# Altium PCB Mynd_TI_Amp.PcbDoc (part 2 of 2)
Units mm, origin at the board's own origin, x right, y up, seen from the top; angles counter-clockwise.
Board outline 90.5 x 57.5 mm, 2 copper layers (Component Side, Solder Side), stack 1.58 mm thick; 159 components, 77 nets, 438 pads, 735 vias.
Unrouted connection lines stored in the file: 74.
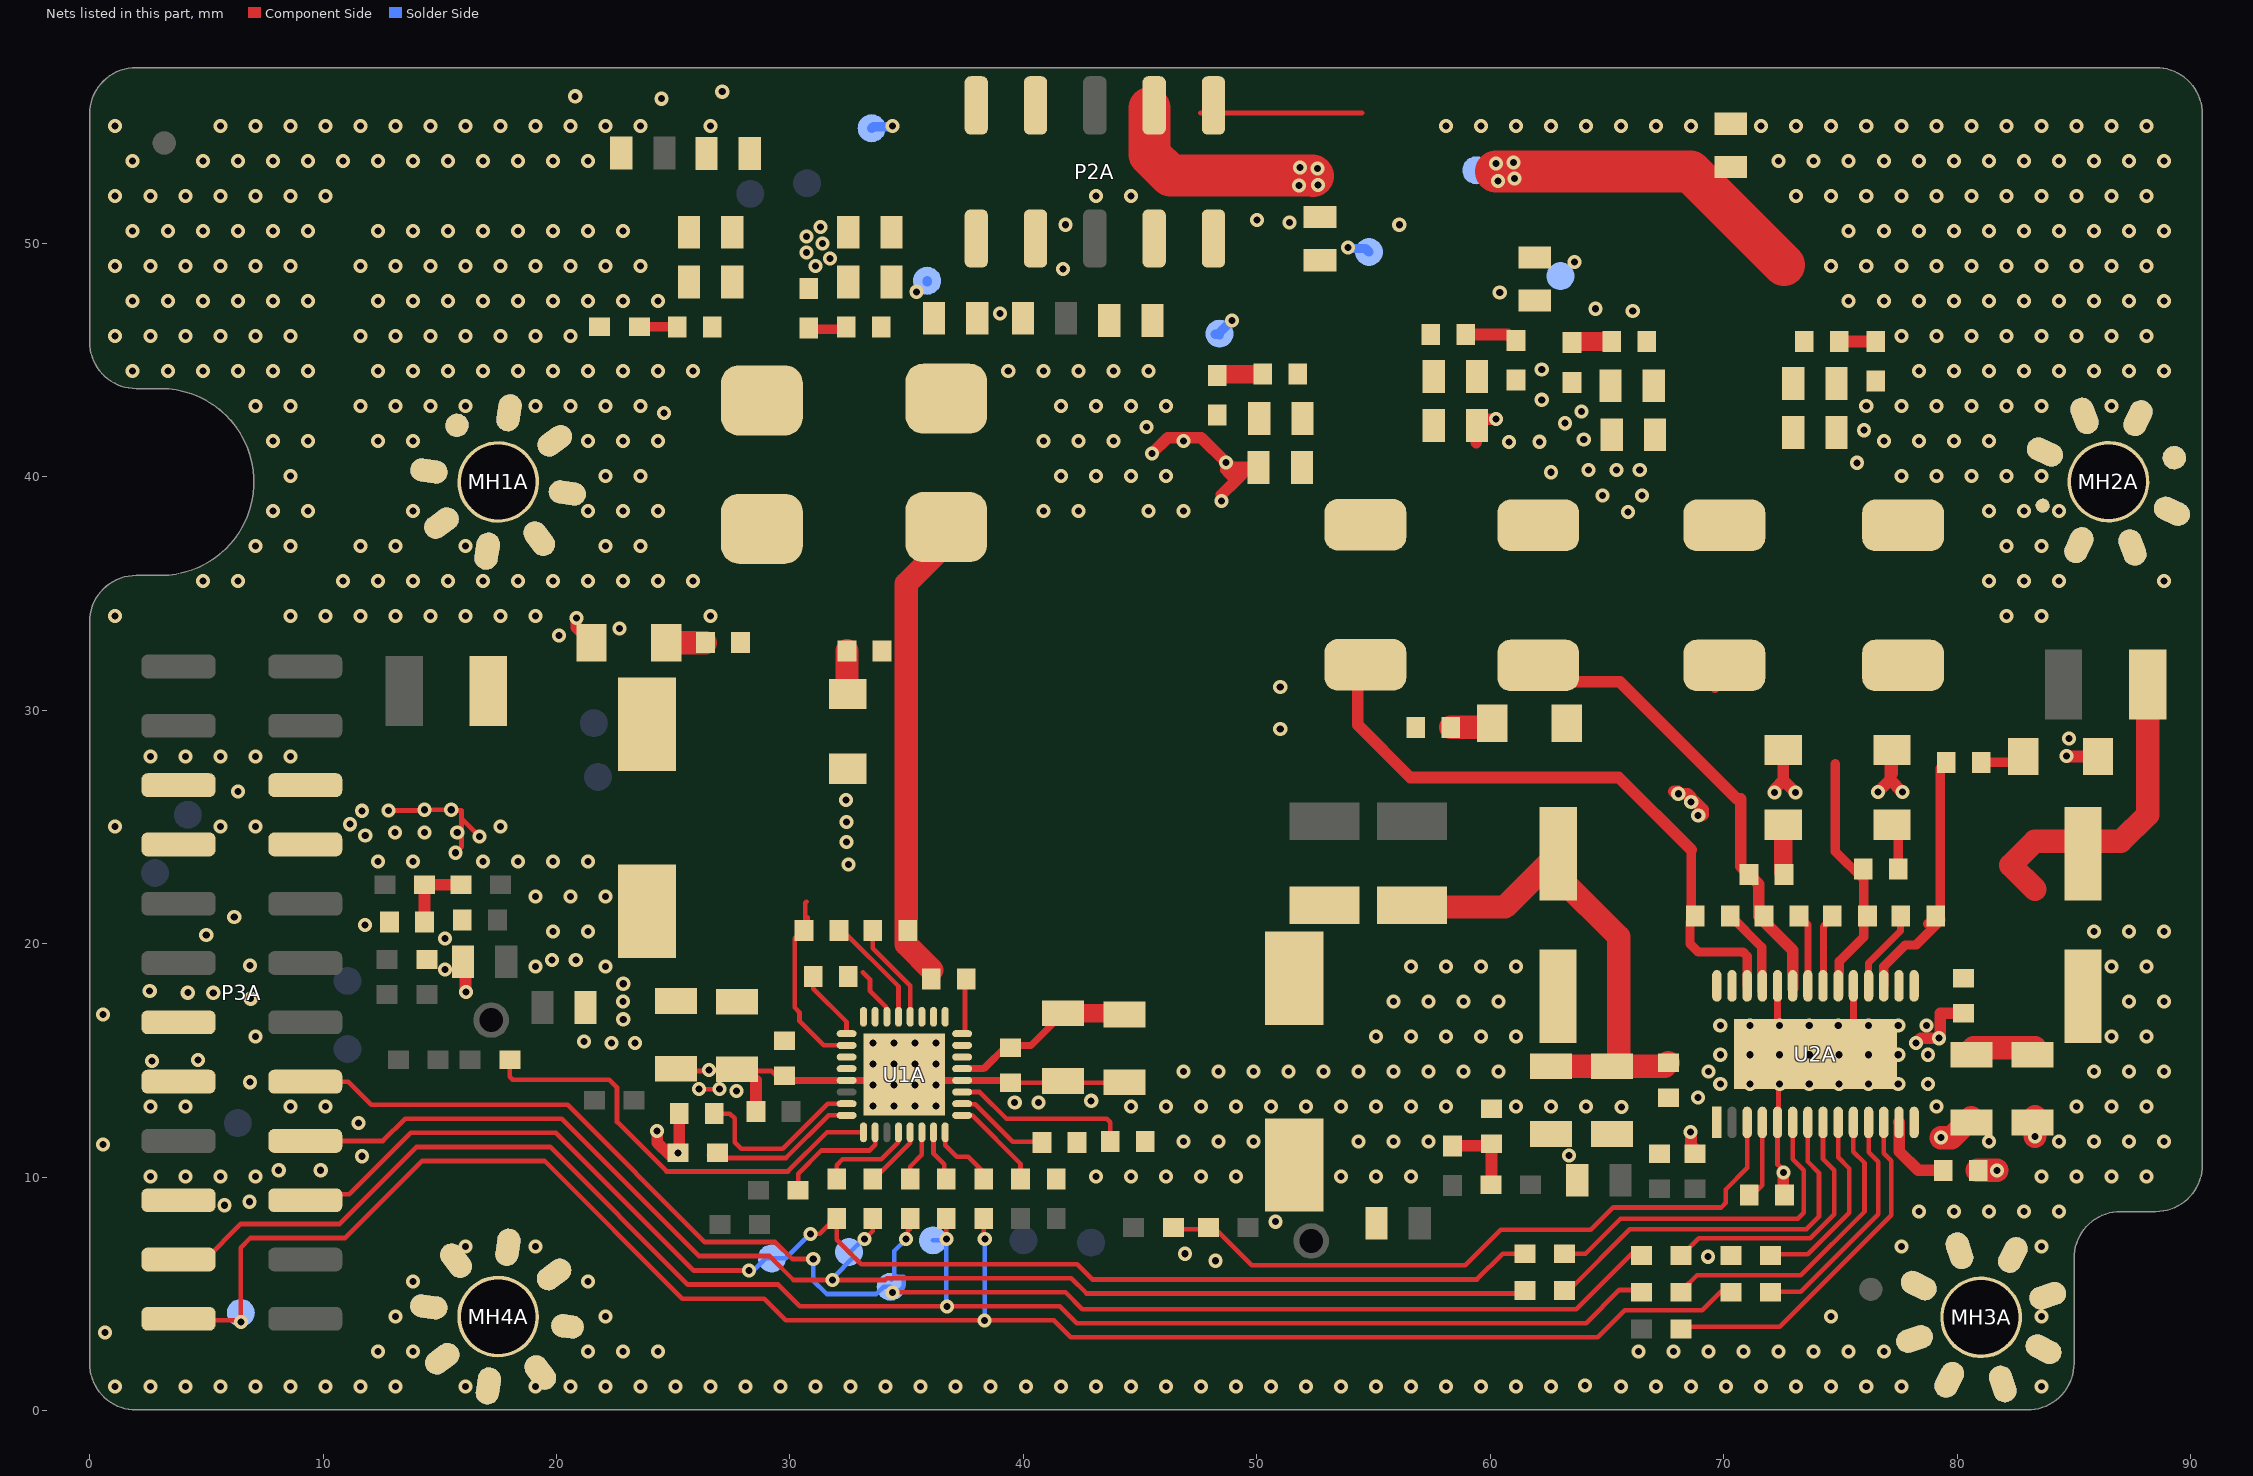
[diagram p2: the nets of this part, all layers, seen from the top]

## Via types
v1: diameter 0.6, hole 0.3, Component Side to Solder Side, tented both sides, 616 vias
v2: diameter 0.61, hole 0.305, Component Side to Solder Side, tented both sides, 71 vias
v3: diameter 0.61, hole 0.305, Component Side to Solder Side, 48 vias

## Nets (pads, with @x,y where several pads share a name; then routed paths per layer and width w, separated by ;. In a path a pad name is that pad's centre, name@x,y a point inside that pad or via, vN(x,y) a via of type N, cw(c..) or ccw(c..) an arc to the next point about the centre after c; other vN are vias at no path point) (continued)
GND: C4A.2 C5A.2 C6A.2 C7A.2 C8A.2 C11A.2 C12A.2 C16A.2 C17A.2 C18A.2 C19A.2 C20A.2 C21A.2 C22A.2 C23A.2 C24A.1 C25A.2 C26A.2 C27A.1 C28A.1 C29A.2 C30A.2 C31A.2 C34A.2 C35A.2 C37A.2 C38A.2 C39A.2 C40A.2 C41A.2 C42A.2 C46A.2 C47A.2 C48A.2 C49A.2 C53A.2 C54A.2 C55A.1 C56A.2 C57A.2 C59A.1 C60A.2 C61A.2 C64A.2 C65A.2 C66A.2 C67A.2 C68A.2 C69A.2 C70A.2 C71A.2 MH1A.1 MH2A.1 MH3A.1 MH4A.1 P3A.5 P3A.6 P3A.7 P3A.8 P3A.13 P3A.15 P3A.19 R6A.2 R7A.2 R10A.1 R11A.2 R14A.1 R16A.2 R18A.2 R19A.2 R20A.2 R21A.2 R22A.1 R24A.2 R29A.2 R30A.2 R33A.1 R34A.2 U1A.0 U1A.5 U1A.20 U1A.25 U1A.26 U1A.31 U1A.32 U2A.0 U2A.1 U2A.5 U2A.14 U2A.19 U2A.24 | length 70.6
  Component Side w0.2: v2(12.804,25.71) v2@14.352,25.71 ; v2(14.352,25.74) v2(15.494,25.74) ; v2@15.494,25.71 15.935,25.71 15.935,25.365 ; v2(15.675,23.9) 15.935,24.16 15.935,24.765 15.935,25.365 ; v2(16.7,24.6) 15.935,25.365 ; C18A.2@25.125,14.65 25.225,14.55 C17A.2@27.725,14.55 ; v1(26.1,13.775) v1(26.975,13.775) ; C17A.2@28.15,14.55 29.225,14.55 C19A.2@29.625,14.15 ; C23A.2@39.45,14.045 44.295,14.045 C21A.2@44.325,14.075 ; U2A.0@72.39,13.847 72.338,13.795 72.338,12.388 U2A.5@72.3,12.35 72.3,10.55 v1@72.675,10.175
  Component Side w0.3: C19A.2@29.625,14.15 U1A.5@32.425,14.15 33.425,14.15 U1A.0@33.525,14.05 ; U1A.0@36.1,13.95 36.3,14.15 U1A.20@37.375,14.15 C23A.2@39.395,14.15 ; U2A.0@71.675,15.907 U2A.0@72.2,15.382 ; U2A.24@72.3,18.2 72.3,16.477 U2A.0@72.39,16.387 ; U2A.0@73.925,15.275 74.145,15.275 75.55,16.68 U2A.19@75.55,18.2
  Component Side w0.5: v1(16.125,17.932) 16.106,17.951 16.106,19.313 C8A.2@16.125,19.332 ; v1(20.85,33.95) 20.85,33.55 R6A.2@21.5,32.9 ; v1(24.3,11.975) 24.319,11.956 24.319,11.484 R14A.1@24.839,10.964 ; v1(25.2,11.05) 25.255,11.105 C24A.1@25.255,12.725 ; C17A.2@27.725,14.625 28.075,14.625 28.15,14.55 28.545,14.155 C26A.2@28.545,12.925 ; v1(45.5,41) 46.181,41.681 47.619,41.681 v1(48.675,40.625) ; v1(48.483,38.976) 48.483,39.233 49.113,39.862 ; v1@48.675,40.579 v1(48.675,40.625) ; C34A.2@50.075,40.4 C34A.2@49.65,40.4 ; 59.4,41.475 59.4,42.475 v1(60.25,42.475) ; v3@67.867,26.525 68.05,26.525 v3(68.05,26.425) 68.45,26.425 68.6,26.275 v3(68.6,26.075) 68.8,26.075 69.125,25.75 69.125,25.525 69.1,25.5 v3(68.9,25.5) ; v1(68.575,11.937) 68.594,11.918 68.594,11.393 C30A.2@68.85,11.137 ; v1(72.175,26.475) 72.175,26.625 72.55,27 ; v1(72.55,10.2) 72.55,9.295 C55A.1@72.595,9.25 ; R22A.1@72.55,28.05 72.55,27 ; v1(73.075,26.475) 72.55,27 ; v1(76.6,26.5) 77.125,27.025 ; R29A.2@77.125,28.075 77.125,27.025 ; 77.2,27.295 R29A.2@77.2,28.3 ; v1(77.65,26.5) 77.125,27.025 ; v1(78.232,15.748) 78.439,15.955 79.27,15.955 79.27,17.025 C42A.2@80.264,17.025 ; v1@84.775,28.05 84.8,28.025 R33A.1@86.025,28.025 ; 48.675,40.3 48.751,40.224 ; 48.675,40.3 48.751,40.224 ; 48.675,40.3 49.113,39.862 ; v1(48.675,40.625) v1@48.702,40.625 ; v1@48.702,40.625 v1@48.851,40.476 ; v1@48.702,40.625 v1@48.851,40.476 ; v1@48.702,40.625 48.927,40.4 ; 48.751,40.224 49.113,39.862 ; v1@48.851,40.476 48.927,40.4 ; 48.927,40.4 C34A.2@49.65,40.4 ; 49.113,39.862 C34A.2@49.65,40.4
  Component Side w1: v1(79.3,11.7) 79.75,11.7 C40A.2@80.6,12.55 ; C59A.1@80.85,10.3 v1(81.7,10.3) ; v1(83.325,11.75) C41A.2@83.325,12.6
  other v1: 1.1,1.031 2.6,1.031 4.1,1.031 5.6,1.031 7.1,1.031 8.6,1.031 10.1,1.031 11.6,1.031 13.1,1.031 16.1,1.031 19.1,1.031 20.6,1.031 22.1,1.031 23.6,1.031 25.1,1.031 26.6,1.031 28.1,1.031 29.6,1.031 31.1,1.031 32.6,1.031 34.1,1.031 35.6,1.031 37.1,1.031 38.6,1.031 40.1,1.031 41.6,1.031 43.1,1.031 44.6,1.031 46.1,1.031 47.6,1.031 49.1,1.031 50.6,1.031 52.1,1.031 53.6,1.031 55.1,1.031 56.6,1.031 58.1,1.031 59.6,1.031 61.1,1.031 62.6,1.031 65.6,1.031 67.1,1.031 68.6,1.031 70.1,1.031 71.6,1.031 73.1,1.031 74.6,1.031 76.1,1.031 77.6,1.031 83.6,1.031 64.05,1.075 12.35,2.531 13.85,2.531 21.35,2.531 22.85,2.531 24.35,2.531 66.35,2.531 67.85,2.531 69.35,2.531 70.85,2.531 72.35,2.531 73.85,2.531 75.35,2.531 76.85,2.531 0.667,3.361 13.1,4.031 22.1,4.031 74.6,4.031 83.6,4.031 13.85,5.531 21.35,5.531 16.1,7.031 19.1,7.031 77.6,7.031 83.6,7.031 78.35,8.531 79.85,8.531 81.35,8.531 82.85,8.531 84.35,8.531 2.6,10.031 4.1,10.031 5.6,10.031 7.1,10.031 43.1,10.031 44.6,10.031 46.1,10.031 47.6,10.031 49.1,10.031 53.6,10.031 55.1,10.031 56.6,10.031 83.6,10.031 85.1,10.031 86.6,10.031 88.1,10.031 63.373,10.926 0.57,11.407 46.85,11.531 48.35,11.531 49.85,11.531 54.35,11.531 55.85,11.531 57.35,11.531 81.35,11.531 84.35,11.531 85.85,11.531 87.35,11.531 88.85,11.531 65.625,13 2.6,13.031 4.1,13.031 8.6,13.031 10.1,13.031 44.6,13.031 46.1,13.031 47.6,13.031 49.1,13.031 50.6,13.031 52.1,13.031 53.6,13.031 55.1,13.031 56.6,13.031 58.1,13.031 61.1,13.031 62.6,13.031 64.1,13.031 79.1,13.031 85.1,13.031 86.6,13.031 88.1,13.031 68.9,13.407 27.7,13.7 46.85,14.531 48.35,14.531 49.85,14.531 51.35,14.531 52.85,14.531 54.35,14.531 55.85,14.531 57.35,14.531 58.85,14.531 60.35,14.531 69.35,14.531 85.85,14.531 87.35,14.531 88.85,14.531 26.525,14.6 21.188,15.816 79.22,15.955 7.1,16.031 55.1,16.031 56.6,16.031 58.1,16.031 59.6,16.031 61.1,16.031 86.6,16.031 88.1,16.031 0.57,16.982 22.85,17.531 55.85,17.531 57.35,17.531 58.85,17.531 60.35,17.531 87.35,17.531 88.85,17.531 19.1,19.031 22.1,19.031 56.6,19.031 58.1,19.031 59.6,19.031 61.1,19.031 86.6,19.031 88.1,19.031 15.225,20.232 19.85,20.531 21.35,20.531 85.85,20.531 87.35,20.531 88.85,20.531 19.1,22.031 20.6,22.031 22.1,22.031 32.5,23.4 12.35,23.531 13.85,23.531 16.85,23.531 18.35,23.531 19.85,23.531 21.35,23.531 32.432,24.36 1.1,25.031 5.6,25.031 7.1,25.031 17.6,25.031 32.432,25.209 32.4,26.15 6.35,26.531 2.6,28.031 4.1,28.031 5.6,28.031 7.1,28.031 8.6,28.031 84.675,28.05 84.775,28.8 20.1,33.2 22.7,33.5 1.1,34.031 8.6,34.031 10.1,34.031 11.6,34.031 13.1,34.031 14.6,34.031 16.1,34.031 17.6,34.031 19.1,34.031 26.6,34.031 82.1,34.031 83.6,34.031 4.85,35.531 6.35,35.531 10.85,35.531 12.35,35.531 13.85,35.531 15.35,35.531 16.85,35.531 18.35,35.531 19.85,35.531 21.35,35.531 22.85,35.531 24.35,35.531 25.85,35.531 81.35,35.531 82.85,35.531 84.35,35.531 88.85,35.531 7.1,37.031 8.6,37.031 11.6,37.031 13.1,37.031 16.1,37.031 22.1,37.031 23.6,37.031 82.1,37.031 83.6,37.031 7.85,38.531 9.35,38.531 13.85,38.531 21.35,38.531 22.85,38.531 24.35,38.531 40.85,38.531 42.35,38.531 45.35,38.531 46.85,38.531 81.35,38.531 82.85,38.531 84.35,38.531 8.6,40.031 22.1,40.031 23.6,40.031 41.6,40.031 43.1,40.031 44.6,40.031 46.1,40.031 77.6,40.031 79.1,40.031 80.6,40.031 82.1,40.031 83.6,40.031 60.8,41.5 7.85,41.531 9.35,41.531 12.35,41.531 13.85,41.531 21.35,41.531 22.85,41.531 24.35,41.531 40.85,41.531 42.35,41.531 43.85,41.531 46.85,41.531 76.85,41.531 78.35,41.531 79.85,41.531 81.35,41.531 45.275,42.132 24.608,42.732 7.1,43.031 8.6,43.031 11.6,43.031 13.1,43.031 14.6,43.031 16.1,43.031 19.1,43.031 20.6,43.031 22.1,43.031 23.6,43.031 41.6,43.031 43.1,43.031 44.6,43.031 46.1,43.031 76.1,43.031 77.6,43.031 79.1,43.031 80.6,43.031 82.1,43.031 83.6,43.031 86.6,43.031 1.85,44.531 3.35,44.531 4.85,44.531 6.35,44.531 7.85,44.531 9.35,44.531 12.35,44.531 13.85,44.531 15.35,44.531 16.85,44.531 18.35,44.531 19.85,44.531 21.35,44.531 22.85,44.531 24.35,44.531 25.85,44.531 39.35,44.531 40.85,44.531 42.35,44.531 43.85,44.531 45.35,44.531 78.35,44.531 79.85,44.531 81.35,44.531 82.85,44.531 84.35,44.531 85.85,44.531 87.35,44.531 88.85,44.531 1.1,46.031 2.6,46.031 4.1,46.031 5.6,46.031 7.1,46.031 8.6,46.031 11.6,46.031 13.1,46.031 14.6,46.031 16.1,46.031 17.6,46.031 19.1,46.031 20.6,46.031 77.6,46.031 79.1,46.031 80.6,46.031 82.1,46.031 83.6,46.031 85.1,46.031 86.6,46.031 88.1,46.031 1.85,47.531 3.35,47.531 4.85,47.531 6.35,47.531 7.85,47.531 9.35,47.531 12.35,47.531 13.85,47.531 15.35,47.531 16.85,47.531 18.35,47.531 19.85,47.531 21.35,47.531 22.85,47.531 24.35,47.531 75.35,47.531 76.85,47.531 78.35,47.531 79.85,47.531 81.35,47.531 82.85,47.531 84.35,47.531 85.85,47.531 87.35,47.531 88.85,47.531 1.1,49.031 2.6,49.031 4.1,49.031 5.6,49.031 7.1,49.031 8.6,49.031 11.6,49.031 13.1,49.031 14.6,49.031 16.1,49.031 17.6,49.031 19.1,49.031 20.6,49.031 22.1,49.031 23.6,49.031 31.1,49.031 74.6,49.031 76.1,49.031 77.6,49.031 79.1,49.031 80.6,49.031 82.1,49.031 83.6,49.031 85.1,49.031 86.6,49.031 88.1,49.031 31.725,49.35 30.7,49.6 31.4,50 30.7,50.3 1.85,50.531 3.35,50.531 4.85,50.531 6.35,50.531 7.85,50.531 9.35,50.531 12.35,50.531 13.85,50.531 15.35,50.531 16.85,50.531 18.35,50.531 19.85,50.531 21.35,50.531 22.85,50.531 75.35,50.531 76.85,50.531 78.35,50.531 79.85,50.531 81.35,50.531 82.85,50.531 84.35,50.531 85.85,50.531 87.35,50.531 88.85,50.531 31.3,50.7 1.1,52.031 2.6,52.031 4.1,52.031 5.6,52.031 7.1,52.031 8.6,52.031 10.1,52.031 43.1,52.031 44.6,52.031 73.1,52.031 74.6,52.031 76.1,52.031 77.6,52.031 79.1,52.031 80.6,52.031 82.1,52.031 83.6,52.031 85.1,52.031 86.6,52.031 88.1,52.031 1.85,53.531 4.85,53.531 6.35,53.531 7.85,53.531 9.35,53.531 10.85,53.531 12.35,53.531 13.85,53.531 15.35,53.531 16.85,53.531 18.35,53.531 19.85,53.531 21.35,53.531 72.35,53.531 73.85,53.531 75.35,53.531 76.85,53.531 78.35,53.531 79.85,53.531 81.35,53.531 82.85,53.531 84.35,53.531 85.85,53.531 87.35,53.531 88.85,53.531 1.1,55.031 5.6,55.031 7.1,55.031 8.6,55.031 10.1,55.031 11.6,55.031 13.1,55.031 14.6,55.031 16.1,55.031 17.6,55.031 19.1,55.031 20.6,55.031 22.1,55.031 23.6,55.031 26.6,55.031 58.1,55.031 59.6,55.031 61.1,55.031 62.6,55.031 64.1,55.031 65.6,55.031 67.1,55.031 68.6,55.031 71.6,55.031 73.1,55.031 74.6,55.031 76.1,55.031 77.6,55.031 79.1,55.031 80.6,55.031 82.1,55.031 83.6,55.031 85.1,55.031 86.6,55.031 88.1,55.031
  other v2: 33.55,13.05 34.45,13.05 35.35,13.05 36.25,13.05 33.55,13.95 34.45,13.95 69.85,14 71.12,14 72.39,14 73.66,14 74.93,14 76.2,14 77.47,14 78.74,14 33.55,14.85 34.45,14.85 35.35,14.85 36.25,14.85 69.85,15.25 71.12,15.25 72.39,15.25 73.66,15.25 74.93,15.25 76.2,15.25 77.47,15.25 78.74,15.25 33.55,15.75 34.45,15.75 35.35,15.75 36.25,15.75 69.85,16.5 71.12,16.5 72.39,16.5 73.66,16.5 74.9,16.5 76.2,16.5 77.47,16.5 11.811,24.638 13.081,24.765 14.351,24.765 15.748,24.765 11.15,25.125 11.671,25.694 51,29.2 51,31 65.9,38.5 64.8,39.2 66.5,39.2 62.6,40.2 64.2,40.3 65.4,40.3 66.4,40.3 75.7,40.6 62.1,41.5 64,41.6 76,42 63.2,42.3 63.9,42.8 62.2,43.3 62.2,44.6 66.1,47.1 64.5,47.2 60.4,47.9 56.1,50.8 51.4,50.9 50,51
  other v3: 48.225,6.425 69.325,6.6 46.925,6.725 50.8,8.1 5.775,8.8 6.85,8.95 8.1,10.3 9.9,10.3 11.665,10.903 11.525,12.325 39.624,13.208 40.64,13.208 42.9,13.275 35.35,13.95 36.25,13.95 6.875,14.075 2.675,14.975 4.65,15.025 22.352,15.748 23.368,15.748 78.675,16.5 22.86,16.764 6.9,17.65 4.21,17.907 5.3,17.9 2.575,17.975 22.86,18.288 15.225,18.9 6.875,19.075 19.812,19.304 20.828,19.304 5,20.375 11.8,20.8 6.2,21.15 39,47 41.7,48.9 41.8,50.8 24.5,56.2 20.8,56.3 27.1,56.5
I2S_BCLK: P3A.18 R5A.1 R25A.1 TP19A.1 | length 58.8
  Component Side w0.2: P3A.18@9.24,11.557 12.567,11.557 13.515,12.505 20.226,12.505 26.106,6.625 29.127,6.625 30.151,5.6 v1(31.825,5.6) 34.076,5.6 34.151,5.675 42.051,5.675 42.701,5.025 R25A.1@61.7,5.025 ; v1(33.2,7.35) 33.55,7.7 33.55,7.75
  Solder Side w0.2: v1(31.825,5.6) 31.825,5.675 TP19A.1@32.738,6.588 ; TP19A.1@32.525,6.8 32.588,6.8 33.138,7.35 v1(33.2,7.35)
I2S_DATA: P3A.16 R3A.1 R23A.1 TP17A.1 | length 67.3
  Component Side w0.2: P3A.16@9.24,14.097 11.078,14.097 12.07,13.105 20.475,13.105 26.355,7.225 29.375,7.225 30.1,6.5 v3(31,6.5) ; v1(34.4,5.075) 41.803,5.075 42.528,4.35 63.675,4.35 66.05,6.725 R23A.1@66.5,6.725 ; v1(34.975,7.35) 35.052,7.427 35.052,7.701 35.15,7.8 R3A.1@35.15,8.225
  Solder Side w0.2: v3(31,6.5) 31,5.576 31.576,5 33.702,5 34.012,5.31 TP17A.1@34.315,5.31 ; TP17A.1@34.35,5.625 TP17A.1@34.467,5.742 ; v1(34.4,5.075) 34.4,5.163 TP17A.1@34.433,5.196 ; TP17A.1@34.434,5.196 ccw(c34.597,5.422) 34.875,5.422 34.875,5.742 TP17A.1@34.467,5.742 ; v1(34.975,7.35) 34.467,6.842 TP17A.1@34.467,5.742
I2S_LRCK: P3A.20 R8A.1 R26A.1 TP20A.1 | length 58.8
  Component Side w0.2: P3A.20@9.24,9.017 9.489,9.266 11.125,9.266 13.764,11.905 19.978,11.905 25.879,6.004 v1(28.252,6.004) ; v1(30.874,7.576) 31.276,7.576 31.7,8 31.7,8.15 32,8.15 32,7.325 33.05,6.275 42.3,6.275 42.95,5.625 59.425,5.625 60.525,6.725 R26A.1@61.475,6.725
  Solder Side w0.2: v1(28.252,6.004) 28.361,6.004 28.437,6.08 28.508,6.08 28.954,6.526 TP20A.1@29.225,6.526 29.824,6.526 v1(30.874,7.576)
NetC1A_1: C1A.1 C2A.2 C9A.2 L1A.1 U1A.2 U1A.30 | length 11.9
  Component Side w0.2: C9A.2@30.645,20.7 30.645,20.65 30.345,20.35 30.317,20.35 30.2,20.233 30.2,17.271 30.405,17.066 30.405,16.695 31.45,15.65 U1A.2@32.425,15.65 ; C9A.2@30.655,20.705 30.655,21.755 ; 30.705,21.805 30.655,21.755 ; C9A.2@30.755,20.705 30.755,21.13 ; 33.125,18.775 33.425,18.475 33.425,17.983 34.131,17.277 34.131,16.894 U1A.30@34.15,16.875 ; 30.655,21.755 30.655,21.13 30.655,21.755
NetC1A_2: C1A.2 U1A.1 | length 3
  Component Side w0.2: C1A.2@30.995,18.6 30.995,18.08 32.425,16.65 U1A.1@32.425,16.15
NetC2A_1: C2A.1 R6A.1 | length 1.7
  Component Side w1: R6A.1@24.7,32.9 25.275,32.9 C2A.1@26.38,32.9
NetC3A_2: C3A.2 R7A.1 | length 1.6
  Component Side w0.4: R7A.1@23.55,46.425 C3A.2@25.175,46.425
NetC6A_1: C6A.1 FB1A.1 R4A.1 | length 3.3
  Component Side w0.5: C6A.1@14.345,20.932 14.348,20.934 14.348,22.53 R4A.1@14.35,22.532 FB1A.1@16.05,22.532
NetC9A_1: C9A.1 U1A.29 | length 4.7
  Component Side w0.2: C9A.1@32.245,20.58 34.65,18.175 34.65,17.315 U1A.29@34.65,16.875
NetC10A_1: C10A.1 C13A.1 C15A.2 L2A.1 U1A.23 U1A.27 | length 19.6
  Component Side w1: C15A.2@36.075,18.875 34.975,19.975 34.975,20.576 34.975,20.85 34.975,22.425 34.975,32.575 34.975,35.425 L2A.1@36.775,37.225
NetC10A_2: C10A.2 U1A.28 | length 4.4
  Component Side w0.2: C10A.2@33.545,20.576 33.545,19.817 35.15,18.212 U1A.28@35.15,16.875
NetC13A_2: C13A.2 R10A.2 | length 1.9
  Component Side w1: C13A.2@32.445,32.55 32.445,30.73 R10A.2@32.475,30.7
NetC14A_1: C14A.1 R11A.1 | length 1.5
  Component Side w0.4: R11A.1@30.725,46.325 32.15,46.325 C14A.1@32.175,46.35
NetC15A_1: C15A.1 U1A.24 | length 2.7
  Component Side w0.2: U1A.24@37.375,16.15 37.495,16.27 C15A.1@37.495,18.8
NetC16A_1: C16A.1 C17A.1 C18A.1 C19A.1 FB2A.2 U1A.3 U1A.4 | length 0.4
  Component Side w1: C18A.1@24.725,17.6 24.775,17.55 C18A.1@25.125,17.55
NetC20A_1: C20A.1 C21A.1 C22A.1 C23A.1 FB3A.2 U1A.21 U1A.22 | length 8
  Component Side w0.3: U1A.21@37.375,14.65 38.3,14.65 39.3,15.65 39.6,15.65 40.325,15.65 C22A.1@41.7,17.025
  Component Side w0.8: C22A.1@41.7,17.025 44.275,17.025 C21A.1@44.325,16.975
NetC24A_2: C24A.2 U1A.7 | length 8
  Component Side w0.2: C24A.2@26.455,12.725 27.425,12.725 27.63,12.52 27.63,11.5 27.91,11.22 29.686,11.22 31,12.534 31.616,13.15 U1A.7@32.425,13.15
NetC27A_2: C27A.2 U1A.18 | length 4.1
  Component Side w0.2: U1A.18@37.375,13.15 37.394,13.131 37.932,13.131 39.544,11.519 40.776,11.519 C27A.2@40.795,11.5
NetC28A_2: C28A.2 U1A.19 | length 7.7
  Component Side w0.2: U1A.19@37.375,13.65 38.125,13.65 39.275,12.5 43.575,12.5 43.72,12.355 C28A.2@43.72,11.525
NetC29A_1: C29A.1 FB4A.1 R17A.1 | length 3.5
  Component Side w0.5: R17A.1@58.375,11.35 59.97,11.35 C29A.1@60.05,11.43 60.05,9.7 FB4A.1@60.025,9.675
NetC32A_1: C32A.1 R19A.1 | length 1.8
  Component Side w1: C32A.1@58.3,29.275 59.9,29.275 R19A.1@60.075,29.45
NetC32A_2: C32A.2 C36A.1 L3A.1 U2A.26 | length 26.3
  Component Side w0.4: 68.6,24.025 68.6,21.355 68.78,21.175 68.55,20.945 68.55,20 68.904,19.646 70.821,19.646 71,19.467 U2A.26@71,18.2
  Component Side w0.5: L3A.1@54.325,31.075 54.325,29.375 56.575,27.125 57.6,27.125 65.5,27.125 68.6,24.025
NetC33A_2: C33A.2 R20A.1 | length 1.5
  Component Side w0.8: 48.75,44.4 C33A.2@50.245,44.4
NetC36A_2: C36A.2 U2A.25 | length 3.8
  Component Side w0.4: C36A.2@70.293,21.189 71.625,19.857 U2A.25@71.625,17.988
NetC37A_1: C37A.1 C40A.1 C41A.1 C42A.1 FB5A.2 U2A.15 U2A.16 | length 16.5
  Component Side w1: C40A.1@80.6,15.45 80.7,15.55 C41A.1@83.325,15.55 ; 83.325,22.339 82.296,23.368 83.316,24.388 85.344,24.388 87.006,24.388 88.15,25.532 FB5A.2@88.15,31.1
NetC43A_1: C43A.1 C45A.2 L4A.1 U2A.23 | length 19.7
  Component Side w0.5: L4A.1@62.1,31.225 65.55,31.225 70.575,26.2 70.725,26.2 70.725,23.325 C43A.1@71.075,22.975 71.5,22.55 71.5,21.175 72.95,19.725 U2A.23@72.95,18.092
NetC43A_2: C43A.2 R22A.2 | length 2.2
  Component Side w0.8: R22A.2@72.325,25.15 R22A.2@72.6,24.875 ; C43A.2@72.55,23.082 R22A.2@72.55,24.85
NetC44A_1: C44A.1 R24A.1 | length 2.3
  Component Side w0.5: C44A.1@58.945,46.1 60.75,46.1 R24A.1@61.1,45.75
NetC45A_1: C45A.1 U2A.22 | length 3.4
  Component Side w0.3: C45A.1@73.22,21.2 73.6,20.82 U2A.22@73.6,17.959
NetC46A_1: C46A.1 C47A.1 C48A.1 C49A.1 FB6A.1 U2A.27 U2A.28 | length 22.5
  Component Side w1: FB6A.1@56.65,21.575 60.625,21.575 C46A.1@62.9,23.85 62.9,22.9 65.5,20.3 65.5,14.95 C48A.1@65.3,14.75 ; C47A.1@62.6,14.75 C48A.1@65.3,14.75 ; C49A.1@67.625,14.907 67.468,14.75 C48A.1@65.3,14.75
NetC50A_1: C50A.1 C51A.2 L5A.1 U2A.20 | length 12.9
  Component Side w0.4: L5A.1@69.625,30.95 69.225,31.35 L5A.1@70.75,31.35 ; 74.775,27.712 74.775,23.957 75.989,22.743 75.989,20.289 74.95,19.25 U2A.20@74.95,17.824
NetC50A_2: C50A.2 U2A.21 | length 3.5
  Component Side w0.3: U2A.21@74.275,17.834 74.275,20.75 C50A.2@74.688,21.163
NetC51A_1: C51A.1 R29A.1 | length 2
  Component Side w0.4: R29A.1@77.2,25.1 77.47,24.83 C51A.1@77.47,23.2
NetC52A_2: C52A.2 R30A.1 | length 1.5
  Component Side w0.8: R30A.1@63.75,45.8 C52A.2@65.2,45.8
NetC55A_2: C55A.2 U2A.4 | length 3.3
  Component Side w0.2: C55A.2@71.22,9.225 71.65,9.655 U2A.4@71.65,12.35
NetC58A_1: C58A.1 U2A.18 | length 3.6
  Component Side w0.3: U2A.18@76.2,18.2 76.2,19.175 77.575,20.55 C58A.1@77.575,21.2
NetC58A_2: C58A.2 C62A.1 L6A.1 U2A.17 | length 11.4
  Component Side w0.4: U2A.17@76.85,18.2 76.85,19.025 77.775,19.95 78.236,19.95 79.305,21.019 79.275,21.101 C58A.2@79.275,21.167 ; C58A.2@78.73,20.855 C58A.2@79.075,21.2 ; C58A.2@79.275,21.275 79.275,27.525 C62A.1@79.525,27.775
NetC59A_2: C59A.2 U2A.13 | length 3.5
  Component Side w0.5: U2A.13@77.5,12.35 77.52,12.33 77.52,11.105 78.325,10.3 C59A.2@79.395,10.3
NetC62A_2: C62A.2 R33A.2 | length 1.9
  Component Side w0.4: C62A.2@81.025,27.775 82.65,27.775 R33A.2@82.875,28
NetC63A_1: C63A.1 R34A.1 | length 1.6
  Component Side w0.5: C63A.1@74.9,45.8 R34A.1@76.5,45.8
NetR1A_1: R1A.1 U1A.9 | length 19.1
  Component Side w0.2: R1A.1@18,15.032 18,14.299 18.117,14.182 22.257,14.182 22.595,13.844 22.595,13.366 22.595,12.784 22.595,12.37 24.715,10.25 29.913,10.25 31.588,11.925 U1A.9@33.15,11.925
NetR2A_1: R2A.1 U1A.10 | length 5
  Component Side w0.2: R2A.1@30.35,9.45 30.35,10.15 31.35,11.15 33.413,11.15 33.65,11.388 U1A.10@33.65,11.925
NetR3A_2: R3A.2 U1A.14 | length 2.2
  Component Side w0.2: R3A.2@35.15,9.925 35.15,10.463 35.65,10.962 U1A.14@35.65,11.925
NetR5A_2: R5A.2 U1A.13 | length 2.7
  Component Side w0.2: R5A.2@33.55,9.875 35.15,11.475 U1A.13@35.15,11.925
NetR8A_2: R8A.2 U1A.12 | length 4.1
  Component Side w0.2: R8A.2@32,9.9 32,10.52 32.25,10.77 33.908,10.77 34.631,11.493 34.631,11.906 U1A.12@34.65,11.925
NetR9A_2: R9A.2 U1A.15 | length 2.2
  Component Side w0.2: U1A.15@36.15,11.925 36.15,11.013 36.605,10.558 36.605,10.021 R9A.2@36.7,9.925
NetR12A_2: R12A.2 U1A.16 | length 2.9
  Component Side w0.2: U1A.16@36.65,11.925 36.65,11.369 37.144,10.875 37.638,10.875 38.3,10.212 R12A.2@38.3,9.95
NetR13A_1: R13A.1 U1A.17 | length 4
  Component Side w0.2: U1A.17@37.375,12.65 37.8,12.65 39.875,10.575 R13A.1@39.875,9.975
NetR14A_2: R14A.2 U1A.8 | length 6.6
  Component Side w0.2: R14A.2@26.525,10.95 R14A.2@26.695,11.12 ; R14A.2@26.9,11.05 27.125,10.825 29.828,10.825 31.653,12.65 U1A.8@32.425,12.65
NetR21A_1: R21A.1 U2A.9 | length 8.2
  Component Side w0.2: R21A.1@72,6.7 73.6,6.7 75.375,8.475 75.375,10.375 74.9,10.85 U2A.9@74.9,12.35
NetR23A_2: R23A.2 U2A.8 | length 11.4
  Component Side w0.2: R23A.2@68.2,6.725 68.25,6.725 68.92,7.395 73.695,7.395 74.725,8.425 74.725,10.3 74.25,10.775 U2A.8@74.25,12.35
NetR25A_2: R25A.2 U2A.7 | length 16.2
  Component Side w0.2: R25A.2@63.415,5.215 65.975,7.775 73.538,7.775 74.075,8.312 74.075,10.2 73.6,10.675 U2A.7@73.6,12.35
NetR26A_2: R26A.2 U2A.6 | length 15
  Component Side w0.2: R26A.2@63.175,6.725 64.075,6.725 65.575,8.225 73.175,8.225 73.425,8.475 73.425,10.303 72.95,10.778 U2A.6@72.95,12.35
NetR27A_2: R27A.2 U2A.10 | length 13.3
  Component Side w0.2: R27A.2@68.175,5.175 68.225,5.175 68.85,5.8 73.3,5.8 76.025,8.525 76.025,10.625 75.55,11.1 U2A.10@75.55,12.35
NetR28A_2: R28A.2 U2A.11 | length 10.1
  Component Side w0.2: R28A.2@72.025,5.1 73.3,5.1 76.61,8.41 76.61,10.665 76.2,11.075 U2A.11@76.2,12.35
NetR31A_1: R31A.1 U2A.12 | length 14.7
  Component Side w0.2: R31A.1@68.525,3.6 72.4,3.6 77.175,8.375 77.175,10.7 76.99,10.885 76.85,11.025 U2A.12@76.85,12.35
NetR32A_1: R32A.1 R35A.2 U2A.3 | length 29
  Component Side w0.2: R32A.1@46.625,7.826 46.675,7.776 R35A.2@48.025,7.776 ; R35A.2@48.1,7.85 48.15,7.85 49.775,6.225 58.925,6.225 60.45,7.75 64.3,7.75 65.247,8.697 65.263,8.705 69.88,8.705 70.075,8.9 70.075,9.476 71,10.401 U2A.3@71,12.35
SCL: P3A.23 R12A.1 R28A.1 TP24A.1 | length 79
  Component Side w0.2: P3A.23@3.81,3.937 3.873,3.873 v1@6.292,3.873 ; v1(6.477,3.81) 6.477,6.985 6.893,7.401 10.957,7.401 14.256,10.7 19.485,10.7 25.382,4.804 28.896,4.804 29.825,3.875 v1(38.325,3.875) 41.306,3.875 42.031,3.15 64.601,3.15 65.751,4.3 69.075,4.3 R28A.1@69.875,5.1 ; R12A.1@38.3,8.25 38.3,7.401 v3(38.347,7.355)
  Solder Side w0.2: v1(38.325,3.875) 38.347,3.897 v3(38.347,7.355)
SDA: P3A.21 R9A.1 R27A.1 TP21A.1 | length 72.4
  Component Side w0.2: P3A.21@3.81,6.477 4.953,6.477 6.477,8.001 10.708,8.001 14.007,11.3 19.734,11.3 25.63,5.404 29.499,5.404 30.428,4.475 41.554,4.475 42.279,3.75 64.1,3.75 65.525,5.175 R27A.1@66.475,5.175 ; v3(36.7,7.355) R9A.1@36.7,7.85
  Solder Side w0.2: TP21A.1@36.125,7.3 TP21A.1@36.529,7.3 ; v3(36.7,7.355) 36.584,7.355 TP21A.1@36.529,7.3 ; v1(36.725,4.475) 36.7,4.5 36.7,7.129 TP21A.1@36.529,7.3
SW_N: C11A.1 C12A.1 C14A.2 C67A.1 L2A.2 P2A.1 P2A.3 TP4A.1 | length 0
  Solder Side w0.4: TP4A.1@35.875,48.35 TP4A.1@35.875,48.4
  other v3: 35.425,47.925
SW_P: C3A.1 C4A.1 C5A.1 C68A.1 L1A.2 P2A.2 P2A.4 TP5A.1 | length 0.9
  Solder Side w0.4: TP5A.1@33.5,54.932 33.562,54.994 34.362,54.994 v1(34.4,55.032)
TW_L_N: C52A.1 C53A.1 C54A.1 C71A.1 L5A.2 P2A.10 TP11A.1 | length 6.9
  Component Side w0.2: 47.58,55.582 48.14,55.582 54.5,55.582
  other v1: 63.6,49.2
TW_L_P: C60A.1 C61A.1 C63A.2 C70A.1 L6A.2 P2A.8 TP8A.1 | length 23.4
  Component Side w1.8: P2A.8@45.4,55.8 45.4,53.8 46.293,52.907 52.375,52.907 52.4,52.882 ; 60.25,53.082 68.575,53.082 72.578,49.079
  other v1: 51.8,52.482 52.625,52.507 60.325,52.682 61.025,52.782 52.6,53.207 51.85,53.257 60.25,53.432 61,53.457
TW_R_N: C38A.1 C39A.1 C44A.2 C64A.1 L4A.2 P2A.9 TP12A.1 | length 1
  Solder Side w0.4: v1(53.9,49.832) 53.954,49.832 54.001,49.785 54.647,49.785 TP12A.1@54.8,49.632
TW_R_P: C33A.1 C34A.1 C35A.1 C65A.1 L3A.2 P2A.7 TP10A.1 | length 1
  Solder Side w0.4: TP10A.1@48.211,46.113 48.338,46.113 v1(48.925,46.7) ; TP10A.1@48.4,46.082 TP10A.1@48.4,46.132
pads on no net: MK_T1A.0 MK_T1A.1 MK_T1A.MK_B MK_T1A.MKT MK_T2A.0 MK_T2A.1 MK_T2A.MK_B MK_T2A.MKT U1A.11

## Polygon pours and split planes (outlines as drawn)
GND on Solder Side "NONET_L-01_P-001" (solid, pour order 0): 2.006,-0.012 cw(c2.006,1.988) 0.006,1.988 0.006,33.738 cw(c2.006,33.738) 2.006,35.738 3.046,35.738 ccw(c3.046,39.738) 3.046,43.738 2.006,43.738 cw(c2.006,45.738) 0.006,45.738 0.006,55.488 cw(c2.006,55.488) 2.006,57.488 88.506,57.488 cw(c88.506,55.488) 90.506,55.488 90.506,10.488 cw(c88.506,10.488) 88.506,8.488 87.006,8.488 ccw(c87.006,6.488) 85.006,6.488 85.006,1.988 cw(c83.006,1.988) 83.006,-0.012
GND on Component Side "NONET_L-01_P-001" (solid, remove dead copper, pour order 1): 2.004,0.04 cw(c2.004,2.04) 0.004,2.04 0.004,33.79 cw(c2.004,33.79) 2.004,35.79 3.044,35.79 ccw(c3.044,39.79) 3.044,43.79 2.004,43.79 cw(c2.004,45.79) 0.004,45.79 0.004,55.54 cw(c2.004,55.54) 2.004,57.54 88.504,57.54 cw(c88.504,55.54) 90.504,55.54 90.504,10.54 cw(c88.504,10.54) 88.504,8.54 87.004,8.54 ccw(c87.004,6.54) 85.004,6.54 85.004,2.04 cw(c83.004,2.04) 83.004,0.04

## Keep-outs
Keep-Out Layer:
  the board outline again, w0.1

## Other copper
Component Side:
  region net NetC50A_1: 72.75,33.025 75.925,29.85 75.925,24.1 76.452,23.573 76.452,20.177 75.05,18.775 74.75,18.775 74.75,19.85 75.275,20.375 75.275,21.975 73.775,23.475 73.775,29.075 72.445,30.405 68.97,30.405 68.3,31.075 68.3,32.225 69.1,33.025
  region net TW_R_P: 55.7,38.6 54.1,40.2 54.1,46.2 52.9,47.4 47.9,47.4 47.3,48 47.3,49.4 46.3,50.4 45.2,50.4 44.7,49.9 44.7,46.1 45.7,45.1 51.3,45.1 51.6,44.8 51.6,37.9 52.6,36.9 55.3,36.9 55.7,37.3
  region net TW_R_N: 48.3,50.1 55.8,50.1 57.5,48.4 57.5,42.5 62.4,37.6 62.4,37 59.5,37 54.7,41.8 54.7,47 53.8,47.9 48.4,47.9 47.8,48.5 47.8,50 48.14,50
  pour cut-out: 56.9,51.9 56.9,47.9 59.2,47.9 59.2,51.9
  region net TW_L_N: 71.2,37.9 71.175,37.925 68.475,37.925 67,39.4 67,47 64.9,49.1 59.2,49.1 54.2,54.1 48,54.1 47.4,54.7 47.4,56.1 47.8,56.5 55,56.5 59.8,51.7 66.6,51.7 70.5,47.8 70.5,38
  region net NetC46A_1: 70.1,18.2 67.6,18.2 67.1,17.7 67.1,15.9 67,15.8 66.9,15.8 66.9,20.3 65.1,22.1 65.1,24.5 63.7,25.9 59.2,25.9 58.8,25.5 58.8,24.1 58.6,23.9 55.6,23.9 55.1,23.4 55.1,20.2 55.3,20 55.3,19.9 59.7,19.9 60.1,20.3 63.6,20.3 64.1,19.8 64.1,15.5 61.6,15.5 61.6,14.5 61.6,14.1 68.4,14.1 68.7,14.4 68.7,16.9 69.3,17.5 70.3,17.5 70.4,17.6 70.4,18.2
  region net NetC37A_1: 87.427,32.977 89.408,32.977 89.408,22.86 87.884,21.336 84.836,21.336 84.2,20.7 84.2,14.732 79.756,14.732 79.756,16.256 80.92,16.256 81.3,16.636 81.3,17.632 80.644,18.288 77.588,18.288 77.5,18.2 77.5,18.7 77.5,18.8 77.7,19 79.389,19 80.8,20.411 80.8,25.3 82.1,26.6 86.45,26.6 87.1,27.25 87.1,32.65
  region net NetC16A_1: 16.175,32.525 19.291,32.525 20.828,30.988 25.4,30.988 27.432,28.956 28.689,27.699 28.689,17.513 28.448,17.272 24.892,17.272 24.892,17.78 25.908,18.796 25.908,23.876 24.384,25.4 18.288,25.4 16.175,27.513
  pour cut-out: 40.175,10.4 40.175,8.025 40.411,8.025 40.5,8.114 40.5,10.4 40.45,10.45 40.25,10.45
  region net NetC1A_1: 30.15,18.125 31.65,16.625 31.65,15.9 31.375,15.9 29.95,17.325 29.95,18.125
  region net NetC43A_1: 62.425,33.1 65.25,33.1 68.325,30.025 70.675,30.025 71.55,29.15 71.55,23.6 71.85,23.3 71.85,21.175 71.625,21.175 69.65,23.15 69.65,26.2 68.748,27.102 67.898,27.102 64.7,30.3 64.7,30.325 63.7,31.325 61.825,31.325 61.825,33.1
  region net NetC58A_2: 77.2,33.05 79.65,33.05 80.275,32.425 80.275,20.525 79.175,19.425 77,19.425 78.45,20.875 78.45,29.687 77.2,30.937 77.2,33.025
  region net 24V: 58.375,24.275 51.575,24.275 50.4,25.45 50.4,28.275 53,28.275 55.225,26.05 57.95,26.05 58.375,25.625 58.375,24.375
  region net NetC32A_2: 53.025,31.325 55.825,31.325 56.575,30.575 56.575,29.35 57.625,28.3 65.3,28.3 69.125,24.475 69.125,20.825 69.55,20.4 70.4,20.4 71.175,19.625 71.175,19.3 70.912,19.037 70.7,19.25 68.4,19.25 65.575,22.075 65.575,24.725 63.975,26.325 55.65,26.325 52.85,29.125 52.85,31.15
  region net NetC20A_1: 51.2,23.125 54.45,23.125 54.725,22.85 54.725,16.725 53.25,15.25 40.75,15.25 40.225,14.725 38.75,14.725 38.525,14.5 37.525,14.5 37.375,14.65 37.375,15.15 38.125,15.15 42.875,19.9 49.8,19.9 50.925,21.025 50.925,22.8 51.175,23.05
  region net NetC10A_1: 39.232,20.3 39.475,20.057 39.475,16.825 38.15,15.5 37.525,15.5 37.375,15.65 37.525,15.8 37.925,15.8 38.15,16.025 38.15,19.075 37.925,19.3 36.838,19.3 36.694,19.156 35.85,20 35.85,20.3
  region net NetC10A_1: 38.15,39.325 35.225,39.325 33.6,37.7 33.6,26.55 33.4,26.35 33.4,22.25 34.45,21.2 34.45,19.475 35.55,18.375 35.55,16.975 35.575,17 35.775,17 35.775,17.425 36.675,18.325 36.675,19.95 35.8,20.825 35.8,34.975 36.175,35.35 37.975,35.35 38.85,36.225 38.85,38.75 38.675,38.925 38.275,39.325
  region net NetC1A_1: 31.2,20.126 31.451,19.875 32.425,19.875 34.325,17.975 34.325,17.28 34.227,17.181 33.558,17.85 31.95,17.85 31.775,18.025 31.775,19.025 31.475,19.325 30.575,19.325 30.25,19 30.25,20.183 30.307,20.126
  region net NetC1A_1: 27.825,38.2 27.85,38.225 30.2,38.225 31.2,37.225 31.2,20.126 30.3,19.226 30.3,17.425 31.925,15.8 32.625,15.8 32.625,15.525 31.297,15.525 30.475,16.347 30.475,16.35 29.175,17.65 29.175,28.229 27.85,29.554 27.85,38.225 27.825,38.25
  region net NetC16A_1: 28.875,18.4 28.875,17.525 31.2,15.2 32.075,15.2 32.125,15.15 32.125,14.675 32.075,14.675 32.025,14.625 30.85,14.625 30.2,15.275 29.075,15.275 28.25,16.1 23.876,16.1 23.876,18.4
  region net SW_N: 34.025,51.525 40.147,51.525 40.66,51.012 40.66,48.96 39.9,48.2 37.175,48.2 36.525,47.55 36.525,45.4 37.65,44.275 37.65,42.9 34.925,42.9 34.925,43.02 33.538,44.407 33.538,51.038
  region net 24V: 3.8,32.425 13.575,32.425 14.355,31.645 14.355,28.205 13.925,27.775 10.925,27.775 9.808,28.892 3.858,28.892 3.575,29.175 3.575,32.2
  pour cut-out: 40.025,44.15 40.025,37.125 33.175,37.125 33.175,44.15
  pour cut-out: 32.175,44.025 32.175,37.05 25.35,37.05 25.35,44.025
  region net 24V: 80.975,30.3 80.975,32.03 81.545,32.6 84.35,32.6 84.65,32.3 84.65,29.8 84.15,29.3 81.975,29.3
  region net TW_L_P: 70.025,53.957 73.55,50.432 73.55,41.65 77.975,37.225 77.975,36.875 74.525,36.875 71,40.4 71,48.207 67.1,52.107 60.2,52.107 59.875,52.432 59.875,53.857 59.975,53.957 60.6,53.957
  region net SW_P: 40.74,55.907 30,55.907 26.825,52.732 26.825,42.7 27.575,41.95 29.275,41.95 30,42.675 30,50.607 32.593,53.2 39.948,53.2 41,54.252 41,55.647
  pour cut-out: 73.9,37.8 80.775,37.8 80.775,30.8 73.9,30.8
  pour cut-out: 51.5,37.175 58.5,37.175 58.5,30.175 51.5,30.175
  pour cut-out: 58.45,37.625 65.45,37.625 65.45,30.725 58.45,30.725
  pour cut-out: 66.275,37.725 73.275,37.725 73.275,30.825 66.275,30.825
Solder Side:
  region net 24V: 11.6,31.65 12.475,32.525 26.125,32.525 31.6,38 54.4,38 56.7,35.7 56.7,31.4 59.3,28.8 52.281,28.8 52.281,32.919 50.6,34.6 34.5,34.6 26.4,26.5 13.1,26.5 11.8,27.8 12.4,27.2 11.6,28
  region net 24V: 53.5,30.475 79.225,30.475 81.325,32.575 83.775,32.575 84.2,32.15 84.2,29.475 81.827,27.102 55.852,27.102 54.1,25.35 54.075,25.375 51.6,25.375 50.975,26 50.975,27.95
  region net TW_L_P: 61.125,54.007 61.525,53.607 61.525,52.382 61.075,51.932 51.65,51.932 51.475,52.107 51.475,53.657 51.825,54.007 51.9,54.007

## Silkscreen, mask and mechanical layers (free items; w line width, h text height)
Top Overlay:
  circle w0.1: c4.008,52.959 r0.65
  region: 83.058,56.936 73.133,56.936 73.133,46.736 83.058,46.736
  lines w0.1: 13.232,23.5 13.5,23.232 ; 13.5,24.1 13.5,23.232 ; 13.85,23.531 13.551,23.232 13.5,23.232 ; 65.6,1.5 67.2,1.5 67.2,2.6 ; 67,2.4 67.2,2.6 ; 67.4,2.4 67.2,2.6
  text "LFAPS2307-H001" at 56,55.3 h1
  text "WK41.23" at 59.7,54 h1
  text "1" at 3.783,52.424 h1
Bottom Paste:
  drawing of 156 lines, arcs and shapes, not listed
Bottom Solder:
  drawing of 156 lines, arcs and shapes, not listed
Mechanical 1:
  circle w0.1: c12.5,39.782 r1
  circle w0.1: c17.5,39.782 r1.75
  circle w0.1: c86.5,39.782 r1.75
  circle w0.1: c81,4.032 r1.75
  circle w0.1: c17.5,4.032 r1.75
  lines w0.1: 0,24.285 0,2.032 ccw(c2,2.032) 2,0.032 43.003,0.032 ; 0,33.179 0,33.782 cw(c2,33.782) 2,35.782 3.04,35.782 ccw(c3.04,39.782) 3.04,43.782 2,43.782 cw(c2,45.782) 0,45.782 0,55.532 cw(c2,55.532) 2,57.532 43.003,57.532 ; 51.897,0.032 83,0.032 ccw(c83,2.032) 85,2.032 85,6.532 cw(c87,6.532) 87,8.532 88.5,8.532 ccw(c88.5,10.532) 90.5,10.532 90.5,24.285 ; 51.897,57.532 88.5,57.532 cw(c88.5,55.532) 90.5,55.532 90.5,33.179 ; 36.04,21.282 ccw(c36.54,21.282) 36.54,20.782 49.54,20.782 ccw(c49.54,21.282) 50.04,21.282 50.04,33.282 ccw(c49.54,33.282) 49.54,33.782 36.54,33.782 ccw(c36.54,33.282) 36.04,33.282 36.04,21.282 ; 86,33.782 cw(c86,34.782) 86,35.782 87,35.782 cw(c87,34.782) 87,33.782 86,33.782
Mechanical 2:
  circle w0.1: c86.5,39.782 r4
  circle w0.1: c81,4.032 r4
  circle w0.1: c17.5,4.032 r4
  circle w0.1: c17.5,39.782 r4
  circle w0.1: c81,4.032 r4
  circle w0.1: c81,4.032 r4
  circle w0.1: c81,4.032 r4
  circle w0.15: c81,4.032 r4
  circle w0.1: c17.5,39.782 r4
  circle w0.1: c17.5,4.032 r4
  circle w0.1: c86.5,39.782 r4
  circle w0.1: c17.5,39.782 r4
  circle w0.1: c17.5,4.032 r4
  circle w0.1: c17.5,39.782 r4
  circle w0.1: c17.5,4.032 r4
  circle w0.15: c17.5,39.782 r4
  circle w0.15: c17.5,4.032 r4
  lines w0.1: 13.04,0.032 13.04,57.532 ; 13.04,0.032 13.04,57.532 ; 13.04,0.032 13.04,57.532 ; 13.04,0.032 13.04,57.532
  lines w0.15: 13.04,0.032 13.04,57.532
Top Assembly:
  drawing of 760 lines, arcs and shapes, not listed
Drill Drawing:
  lines w0.254: 104.644,-12.607 104.644,-12.184 105.068,-11.76 104.644,-11.337 104.644,-10.914 105.068,-10.914 105.491,-11.337 105.914,-10.914 106.338,-10.914 106.338,-11.337 105.914,-11.76 106.338,-12.184 106.338,-12.607 105.914,-12.607 105.491,-12.184 105.068,-12.607 104.644,-12.607 ; 104.644,-8.374 105.068,-8.374 105.491,-8.797 105.914,-8.374 106.338,-8.374 105.914,-7.95 106.338,-7.527 105.914,-7.527 105.491,-7.104 105.068,-7.527 104.644,-7.527 105.068,-7.95 104.644,-8.374 ; 104.644,-4.987 106.338,-4.987 106.338,-3.294 104.644,-3.294 104.644,-4.987 ; 104.644,-0.754 105.068,-0.754 105.068,-1.177 105.914,-1.177 105.914,-0.754 106.338,-0.754 106.338,0.093 105.914,0.093 105.914,0.516 105.068,0.516 105.068,0.093 104.644,0.093 104.644,-0.754
  lines w0.381: 103.126,-13.75 227.858,-13.75 ; 103.126,1.49 227.858,1.49 ; 104.341,27.15 114.753,27.15 138.622,27.15 160.46,27.15 176.966,27.15 191.44,27.15 ; 104.341,30.198 114.753,30.198 138.622,30.198 160.46,30.198 176.966,30.198 191.44,30.198 ; 104.341,33.246 114.753,33.246 138.622,33.246 160.46,33.246 176.966,33.246 191.44,33.246 ; 104.341,36.294 114.753,36.294 138.622,36.294 160.46,36.294 176.966,36.294 191.44,36.294 ; 104.341,39.342 114.753,39.342 138.622,39.342 160.46,39.342 176.966,39.342 191.44,39.342 ; 104.341,42.39 114.753,42.39 138.622,42.39 160.46,42.39 176.966,42.39 191.44,42.39 ; 104.341,45.438 191.44,45.438 ; 114.753,48.486 114.753,24.102 ; 117.118,-17.56 117.118,5.3 ; 132.1,-17.56 132.1,5.3 ; 138.622,48.486 138.622,24.102 ; 160.46,48.486 160.46,24.102 ; 161.301,-17.56 161.301,5.3 ; 174.151,-17.56 174.151,5.3 ; 176.966,48.486 176.966,24.102 ; 192.789,-17.56 192.789,5.3 ; 207.771,-17.56 207.771,5.3 ; 114.753,24.102 138.622,24.102 ; 114.753,24.102 104.341,24.102 104.341,48.486 191.44,48.486 191.44,24.102 176.966,24.102 ; 138.622,24.102 160.46,24.102 ; 160.46,24.102 176.966,24.102 ; 103.126,-17.56 227.858,-17.56 227.858,5.3 103.126,5.3 103.126,-17.56
  text "Layer" at 106.119,46.2 h1.52
  text "Name" at 116.531,46.2 h1.52
  text "Material" at 140.4,46.2 h1.52
  text "Thickness" at 162.238,46.2 h1.52
  text "Constant" at 178.744,46.2 h1.52
  text "Top Overlay" at 116.531,43.152 h1.52
  text "Top Solder" at 116.531,40.104 h1.52
  text "Solder Resist" at 140.4,40.104 h1.52
  text "3.5" at 178.744,40.104 h1.52
  text "0,010mm" at 162.238,39.886 h1.52
  text "1" at 106.119,37.056 h1.52
  text "Component Side" at 116.531,37.056 h1.52
  text "0,070mm" at 162.238,36.838 h1.52
  text "Dielectric1" at 116.531,34.008 h1.52
  text "FR-4" at 140.4,34.008 h1.52
  text "4.2" at 178.744,34.008 h1.52
  text "1,440mm" at 162.238,33.79 h1.52
  text "2" at 106.119,30.96 h1.52
  text "Solder Side" at 116.531,30.96 h1.52
  text "0,070mm" at 162.238,30.742 h1.52
  text "Bottom Solder" at 116.531,27.912 h1.52
  text "Solder Resist" at 140.4,27.912 h1.52
  text "3.5" at 178.744,27.912 h1.52
  text "0,010mm" at 162.238,27.694 h1.52
  text "Bottom Overlay" at 116.531,24.864 h1.52
  text "Total board thickness:" at 106.119,21.816 h1.52
  text "1,600mm" at 162.238,21.598 h1.52
  text "Symbol" at 105.412,2.633 h1.83
  text "Count" at 118.261,2.633 h1.83
  text "Hole Size" at 133.243,2.633 h1.83
  text "Plated" at 162.444,2.633 h1.83
  text "Hole Type" at 175.294,2.633 h1.83
  text "Via/Pad" at 193.932,2.633 h1.83
  text "Pad Shape" at 208.914,2.633 h1.83
  text "616" at 118.261,-1.177 h1.52
  text "0.300mm (11.81mil)" at 133.243,-1.177 h1.52
  text "PTH" at 162.444,-1.177 h1.52
  text "Round" at 175.294,-1.177 h1.52
  text "Via" at 193.932,-1.177 h1.52
  text "Rounded" at 208.914,-1.177 h1.52
  text "119" at 118.261,-4.987 h1.52
  text "0.305mm (12.00mil)" at 133.243,-4.987 h1.52
  text "PTH" at 162.444,-4.987 h1.52
  text "Round" at 175.294,-4.987 h1.52
  text "Via" at 193.932,-4.987 h1.52
  text "Rounded" at 208.914,-4.987 h1.52
  text "2" at 118.261,-8.797 h1.52
  text "1.016mm (40.00mil)" at 133.243,-8.797 h1.52
  text "PTH" at 162.444,-8.797 h1.52
  text "Round" at 175.294,-8.797 h1.52
  text "Pad" at 193.932,-8.797 h1.52
  text "Rounded" at 208.914,-8.797 h1.52
  text "4" at 118.261,-12.607 h1.52
  text "3.200mm (125.98mil)" at 133.243,-12.607 h1.52
  text "PTH" at 162.444,-12.607 h1.52
  text "Round" at 175.294,-12.607 h1.52
  text "Pad" at 193.932,-12.607 h1.52
  text "Rounded" at 208.914,-12.607 h1.52
  text "741 Total" at 118.261,-16.417 h1.52

## Text inside footprints (layer, text, board x,y; h text height)
Teufel_ASM_Label1A: Top Overlay "ASM REV '.ASM_Rev'" at 14.1,55.5 h2
Teufel_Copyright1A: Top Overlay "Copyright © '.Copyright_Year' Lautsprecher Teufel GmbH" at 1,44.9 h1.5
Teufel_PCB_Label1A: Top Overlay "PCB REV '.PCB_Rev'" at 25.7,55.6 h2